# EAGLE board Mk4 Final a Panel score 2x5 (EAGLE 9.0.1), part 21 of 29 (continued)
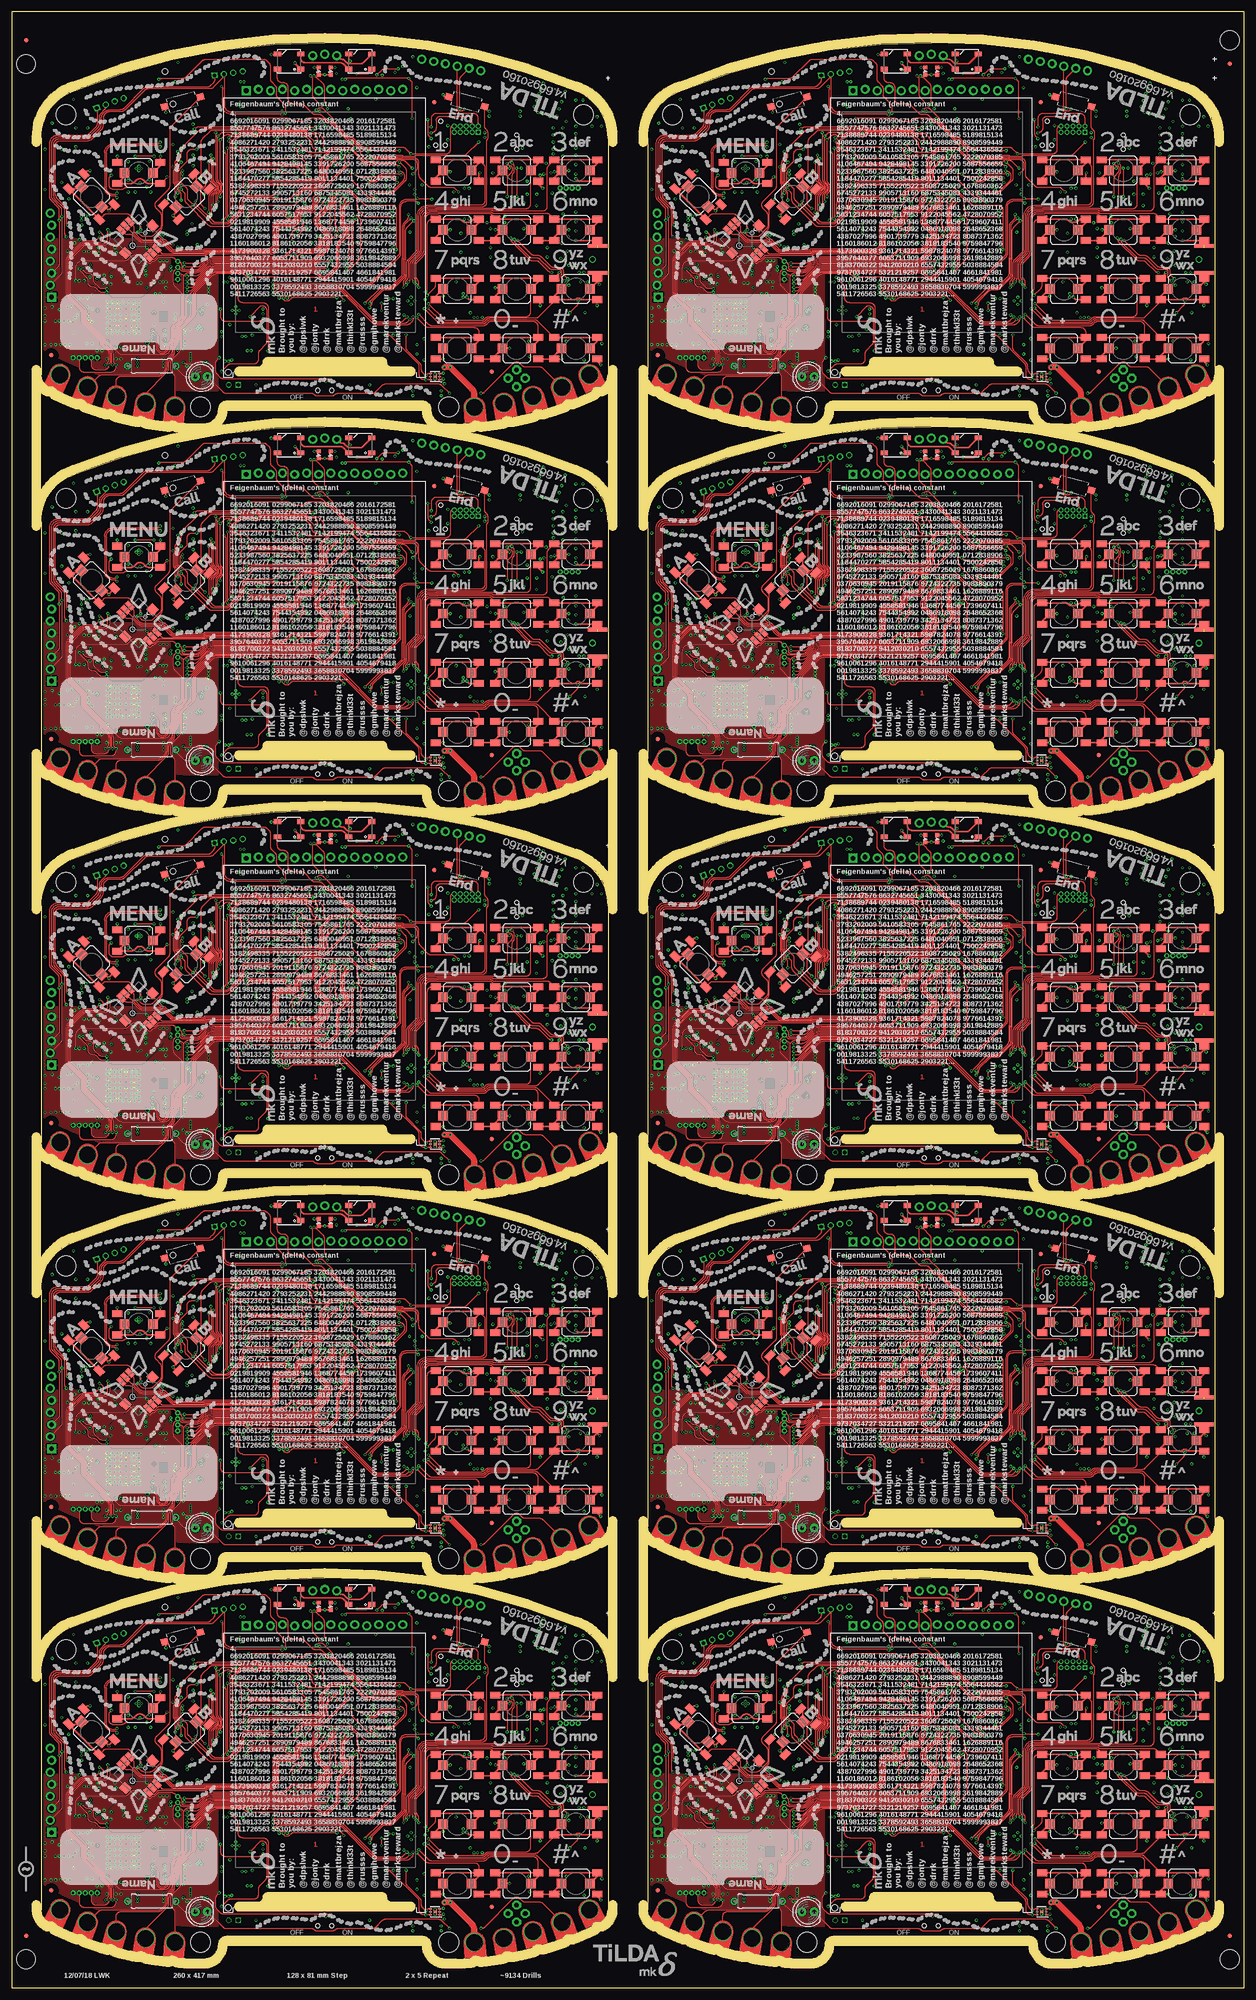
[diagram p0: board, top side]
## Tracks (layer width: path | path; a pad name or v marks a point on that pad's centre or on a via) (continued)
  Bottom 0.15: v49.5,373.25 49,373.25 48.85,373.1 IC145.26 47.9,373.1 47.81,373.19 arc45 47.67,373.25 v45.5,373.25 | v59.2,374 59.3,374 arc90 59.8,374.5 IC146.32 | v45.5,388.25 45.52,388.25 45.57,388.2 46.61,388.2 arc-45 46.75,388.14 46.77,388.11 arc90 47.84,388.11 48.02,388.3 IC145.7
SDRAM_A108  (via drill 0.3)
  Top 0.15: v49.5,387.5 50.58,386.42 arc45 51.29,386.12 60.71,386.12 arc-45 61.42,385.83 v62.25,385 | v44.75,387.5 44.95,387.3 arc-45 45.1,386.94 45.1,373.76 arc-45 44.95,373.4 v44.55,373
  Bottom 0.15: IC146.22 63.8,383.04 arc45 63.51,383.74 v62.25,385 | v44.75,387.5 IC145.8 v49.5,387.5 | IC145.29 37.59,373.1 arc-45 37.69,373.06 arc45 37.83,373 v44.55,373
SDRAM_A109  (via drill 0.3)
  Top 0.15: v42,386.75 41.98,386.73 41.98,385.58 arc45 42.02,385.48 arc-45 42.08,385.33 42.08,381.8 arc45 42.37,381.09 43.23,380.23 arc-90 43.23,379.52 42.27,378.55 arc45 41.98,377.85 41.98,375.4 42.02,375.35 42.02,374.02 v42,374 | v62.25,384 61.54,384.71 arc45 60.84,385 57.67,385 arc-45 57.53,385.06 57.52,385.07 arc45 57.38,385.12 50.79,385.12 arc-45 50.08,385.42 v49.5,386
  Bottom 0.15: v62.25,384 63.11,383.14 arc-45 63.4,382.44 IC146.23 | v42,386.75 42.09,386.75 arc-45 42.79,386.46 42.96,386.29 arc45 43.66,386 47.42,386 arc-45 47.56,385.94 arc45 47.66,385.9 IC145.10 48.82,385.9 arc45 48.96,385.96 arc-45 49.06,386 v49.5,386 | IC145.30 37.59,373.9 arc45 37.69,373.94 arc-45 37.83,374 v42,374
SDRAM_A110  (via drill 0.3)
  Top 0.15: v41.5,385.25 41.5,383.74 41.52,383.72 41.52,381.93 arc45 41.82,381.22 42.99,380.05 arc-90 42.99,379.7 41.79,378.5 arc45 41.5,377.8 v41.5,374.75 | v62.25,383.25 61.09,384.41 arc45 60.39,384.7 57.55,384.7 arc-45 57.41,384.76 57.4,384.77 arc45 57.26,384.82 50.34,384.82 arc-45 49.63,385.12 v49.5,385.25
  Bottom 0.15: v62.25,383.25 62.71,382.79 arc-45 63,382.09 IC146.24 | v41.5,385.25 47.42,385.25 arc-45 47.56,385.19 47.59,385.16 arc45 47.73,385.1 IC145.11 48.77,385.1 arc45 48.91,385.16 48.94,385.19 arc-45 49.08,385.25 v49.5,385.25 | IC145.31 37.7,374.7 arc-45 37.82,374.75 v41.5,374.75
SDRAM_A111  (via drill 0.3)
  Top 0.15: v62.3,382.3 60.49,384.11 arc45 59.79,384.4 57.42,384.4 arc-45 57.28,384.46 57.28,384.47 arc45 57.13,384.52 50.94,384.52 arc45 50.23,384.23 v49.5,383.5 | v41,383.5 41,380.83 arc-45 40.71,380.12 40.14,379.56 arc45 39.85,378.85 39.85,376.81 arc45 40.14,376.11 v40.75,375.5
  Bottom 0.15: v49.5,383.5 IC145.13 v41,383.5 | IC145.32 v40.75,375.5 | IC146.25 62.6,377.26 62.62,377.28 62.62,381.56 arc45 62.33,382.27 v62.3,382.3
SDRAM_A112  (via drill 0.3)
  Top 0.15: v55.75,378.1 v55.74,378.09 arc-45 55.04,377.8 49.75,377.8 arc90 48.5,376.55 48.5,375.5 arc-45 48.21,374.79 45.89,372.47 arc-45 45.18,372.18 42.74,372.18 arc-45 42.03,372.47 v38.25,376.25 37.29,377.21 arc-45 37,377.91 37,379.33 arc45 36.71,380.04 35.47,381.27 arc-45 35.4,381.45 35.4,382.69 arc-45 35.55,383.05 v36,383.5
  Bottom 0.15: IC145.42 v36,383.5 | IC145.33 37.7,376.3 arc45 37.82,376.25 v38.25,376.25 | IC146.40 57.66,379.6 arc45 56.96,379.31 v55.75,378.1
SDRAM_A113  (via drill 0.3)
  Top 0.15: v35.75,377.25 35.75,378.34 arc45 35.46,379.05 35.38,379.12 arc-45 35.16,379.65 35.16,380.58 arc45 35.09,380.76 34.87,380.98 arc-45 34.8,381.15 34.8,383.24 arc-45 34.95,383.6 35.02,383.67 arc45 35.16,384.02 35.16,384.25 arc-45 35.46,384.96 v35.75,385.25 | v56.65,379.75 55.32,378.42 arc-45 54.61,378.12 49.5,378.12 arc90 48,376.62 48,375.42 arc-45 47.71,374.71 45.76,372.77 arc-45 45.05,372.48 43.2,372.48 arc-45 42.49,372.77 39.04,376.21 arc-45 38.75,376.92 v38.75,377
  Bottom 0.15: IC145.44 36.65,385.1 36.65,385.1 arc45 36.29,385.25 v35.75,385.25 | v35.75,377.25 36.29,377.25 arc-45 36.65,377.1 IC145.34 38.51,377.1 arc-45 v38.75,377 | IC146.41 57.25,380 arc45 v56.65,379.75
SDRAM_A114  (via drill 0.3)
  Top 0.15: v49.5,376.25 49.58,376.18 59.35,376.18 arc45 60.06,376.47 60.9,377.31 arc45 61.05,377.67 v61.05,377.8 | v42.5,376.25 42.5,377.95 arc-45 42.79,378.65 43.48,379.34 arc90 43.48,380.4 42.79,381.09 arc-45 42.5,381.8 v42.5,386
  Bottom 0.15: IC145.45 37.82,385.9 arc45 37.96,385.96 arc-45 38.06,386 v42.5,386 | v49.5,376.25 49,376.25 48.95,376.3 IC145.22 47.8,376.3 arc-45 47.68,376.25 v42.5,376.25 | IC146.50 59.54,383.6 arc-45 60.24,383.31 60.76,382.79 arc-45 61.05,382.09 v61.05,377.8
SDRAM_A115  (via drill 0.3)
  Top 0.15: v35,378.75 35,379.08 34.86,379.22 34.86,380.46 arc45 34.79,380.64 34.57,380.85 arc-45 34.5,381.03 34.5,383.37 arc-45 34.65,383.72 34.72,383.79 arc45 34.86,384.14 34.86,384.95 arc-45 35.16,385.66 35.46,385.96 arc45 35.75,386.66 v35.75,388.25 39.53,392.03 arc-45 40.24,392.32 50.73,392.32 50.79,392.38 arc-90 52.21,392.38 52.42,392.18 62.97,392.18 arc-45 v63.47,391.97
  Bottom 0.15: IC145.48 36.55,388.3 36.5,388.25 v35.75,388.25 | IC145.36 36.55,378.7 36.5,378.75 v35,378.75 | v63.47,391.97 63.8,391.64 IC146.75
SDRAM_A116  (via drill 0.3)
  Top 0.15: v35,387.5 35,386.41 arc-45 34.71,385.71 arc45 34.5,385.21 34.5,384.49 34.52,384.47 34.52,384.1 arc-45 34.48,383.98 34.48,383.97 34.35,383.84 arc45 34.2,383.49 34.2,380.91 arc45 34.27,380.73 34.4,380.6 arc-45 34.48,380.42 34.48,378.53 34.5,378.51 v34.5,378 | v47.25,378.75 48.68,380.18 arc45 48.98,380.89 48.98,381.71 arc-45 49.27,382.42 50.46,383.61 arc-45 51.16,383.9 55.94,383.9 arc-45 56.64,383.61 56.96,383.29 arc45 57.66,383 v59.75,383
  Bottom 0.15: IC145.47 v35,387.5 | v34.5,378 36.42,378 arc-45 36.56,377.94 36.6,377.9 IC145.35 42.49,377.9 arc45 43.19,378.19 43.46,378.46 arc-45 44.16,378.75 v47.25,378.75 | IC146.49 59.27,383.2 arc-45 v59.75,383
SDRAM_A117  (via drill 0.3)
  Top 0.15: v171,391.5 v171,391.49 170.97,391.47 170.97,386.27 171.03,386.22 171.03,381.7 arc45 171.32,380.99 171.73,380.58 arc-90 171.73,379.17 171.27,378.7 arc45 170.97,378 170.97,376.52 171.03,376.47 171.03,376.03 171,376.01 v171,375.5 | v186.3,375.5 185.99,375.19 arc-45 185.29,374.9 178.51,374.9 arc-45 177.81,375.19 v177.5,375.5
  Bottom 0.15: IC163.2 172.21,392.3 arc45 171.51,392.01 v171,391.5 | IC164.29 189,376.02 arc90 188.5,376.52 188.12,376.52 | v177.5,375.5 IC163.23 v171,375.5 | 188.12,376.52 | 188.12,376.52 187.68,376.52 arc45 187.08,376.28 v186.3,375.5
SDRAM_A118  (via drill 0.3)
  Top 0.15: v186.3,374.75 arc-45 185.94,374.6 177.86,374.6 arc-45 v177.5,374.75 | v173.75,390.5 174.11,390.14 arc-45 174.4,389.44 174.4,388.13 arc45 174.44,388.03 arc-45 174.5,387.89 v174.5,374.75
  Bottom 0.15: v173.75,390.5 arc-45 174.23,390.7 IC163.4 | IC164.30 188.6,375.98 arc90 188.35,376.23 187.68,376.23 arc45 187.33,376.08 187.21,375.96 arc45 187,375.45 arc-90 v186.3,374.75 | v177.5,374.75 177.07,374.75 arc45 176.95,374.7 IC163.24 175.8,374.7 175.75,374.75 v174.5,374.75
SDRAM_A119  (via drill 0.3)
  Top 0.15: v173.7,389.75 173.73,389.72 arc-45 174.03,389.01 174.03,376.4 173.97,376.35 173.97,374.02 v174,374 | v186.3,374 v186.29,374.01 arc45 185.59,374.3 178.21,374.3 arc45 v177.51,374.01 v177.5,374
  Bottom 0.15: v173.7,389.75 arc-45 174.06,389.9 IC163.5 | v177.5,374 177.08,374 arc45 176.94,373.94 176.9,373.9 IC163.25 175.85,373.9 175.81,373.94 arc45 175.67,374 v174,374 | IC164.31 188.2,373.85 arc-90 187.7,373.35 186.8,373.35 arc-90 186.3,373.85 v186.3,374 v186.3,373.99
SDRAM_A120  (via drill 0.3)
  Top 0.15: v173.5,388.25 173.47,388.23 173.47,373.27 v173.5,373.25 | v177.5,373.25 177.96,373.71 arc-45 178.66,374 185.14,374 arc-45 185.84,373.71 186.02,373.53 arc90 186.73,373.53 v187.2,374
  Bottom 0.15: v177.5,373.25 177,373.25 176.85,373.1 IC163.26 175.9,373.1 175.81,373.19 arc45 175.67,373.25 v173.5,373.25 | v187.2,374 187.3,374 arc90 187.8,374.5 IC164.32 | v173.5,388.25 173.52,388.25 173.57,388.2 174.61,388.2 arc-45 174.75,388.14 174.78,388.11 arc90 175.83,388.11 176.02,388.3 IC163.7
SDRAM_A121  (via drill 0.3)
  Top 0.15: v177.5,387.5 178.58,386.42 arc45 179.29,386.12 188.71,386.12 arc-45 189.42,385.83 v190.25,385 | v172.75,387.5 172.95,387.3 arc-45 173.1,386.94 173.1,373.76 arc-45 172.95,373.4 v172.55,373
  Bottom 0.15: IC164.22 191.8,383.04 arc45 191.51,383.74 v190.25,385 | v172.75,387.5 IC163.8 v177.5,387.5 | IC163.29 165.59,373.1 arc-45 165.69,373.06 arc45 165.83,373 v172.55,373
SDRAM_A122  (via drill 0.3)
  Top 0.15: v170,386.75 169.97,386.73 169.97,385.58 arc45 170.02,385.48 arc-45 170.07,385.33 170.07,381.8 arc45 170.37,381.09 171.24,380.23 arc-90 171.24,379.52 170.27,378.55 arc45 169.97,377.85 169.97,375.4 170.03,375.35 170.03,374.02 v170,374 | v190.25,384 189.54,384.71 arc45 188.84,385 185.67,385 arc-45 185.53,385.06 185.53,385.07 arc45 185.38,385.12 178.79,385.12 arc-45 178.08,385.42 v177.5,386
  Bottom 0.15: v190.25,384 191.11,383.14 arc-45 191.4,382.44 IC164.23 | v170,386.75 170.09,386.75 arc-45 170.79,386.46 170.96,386.29 arc45 171.66,386 175.42,386 arc-45 175.56,385.94 arc45 175.66,385.9 IC163.10 176.82,385.9 arc45 176.96,385.96 arc-45 177.06,386 v177.5,386 | IC163.30 165.59,373.9 arc45 165.69,373.94 arc-45 165.83,374 v170,374
SDRAM_A123  (via drill 0.3)
  Top 0.15: v169.5,385.25 169.5,383.74 169.53,383.72 169.53,381.93 arc45 169.82,381.22 170.99,380.05 arc-90 170.99,379.7 169.79,378.5 arc45 169.5,377.8 v169.5,374.75 | v190.25,383.25 189.09,384.41 arc45 188.39,384.7 185.55,384.7 arc-45 185.41,384.76 185.4,384.77 arc45 185.26,384.82 178.34,384.82 arc-45 177.63,385.12 v177.5,385.25
  Bottom 0.15: v190.25,383.25 190.71,382.79 arc-45 191,382.09 IC164.24 | v169.5,385.25 175.42,385.25 arc-45 175.56,385.19 175.59,385.16 arc45 175.73,385.1 IC163.11 176.77,385.1 arc45 176.91,385.16 176.94,385.19 arc-45 177.08,385.25 v177.5,385.25 | IC163.31 165.7,374.7 arc-45 165.82,374.75 v169.5,374.75
SDRAM_A124  (via drill 0.3)
  Top 0.15: v190.3,382.3 188.49,384.11 arc45 187.79,384.4 185.43,384.4 arc-45 185.28,384.46 185.28,384.47 arc45 185.13,384.52 178.94,384.52 arc45 178.23,384.23 v177.5,383.5 | v169,383.5 169,380.83 arc-45 168.71,380.12 168.14,379.56 arc45 167.85,378.85 167.85,376.81 arc45 168.14,376.11 v168.75,375.5
  Bottom 0.15: v177.5,383.5 IC163.13 v169,383.5 | IC163.32 v168.75,375.5 | IC164.25 190.6,377.26 190.62,377.28 190.62,381.56 arc45 190.33,382.27 v190.3,382.3
SDRAM_A125  (via drill 0.3)
  Top 0.15: v183.75,378.1 v183.74,378.09 arc-45 183.04,377.8 177.75,377.8 arc90 176.5,376.55 176.5,375.5 arc-45 176.21,374.79 173.88,372.47 arc-45 173.18,372.18 170.74,372.18 arc-45 170.03,372.47 v166.25,376.25 165.29,377.21 arc-45 165,377.91 165,379.33 arc45 164.71,380.04 163.47,381.27 arc-45 163.4,381.45 163.4,382.69 arc-45 163.55,383.05 v164,383.5
  Bottom 0.15: IC163.42 v164,383.5 | IC163.33 165.7,376.3 arc45 165.82,376.25 v166.25,376.25 | IC164.40 185.66,379.6 arc45 184.96,379.31 v183.75,378.1
SDRAM_A126  (via drill 0.3)
  Top 0.15: v163.75,377.25 163.75,378.34 arc45 163.46,379.05 163.38,379.12 arc-45 163.16,379.65 163.16,380.58 arc45 163.09,380.76 162.87,380.98 arc-45 162.8,381.15 162.8,383.24 arc-45 162.95,383.6 163.02,383.67 arc45 163.16,384.02 163.16,384.25 arc-45 163.46,384.96 v163.75,385.25 | v184.65,379.75 183.32,378.42 arc-45 182.61,378.12 177.5,378.12 arc90 176,376.62 176,375.42 arc-45 175.71,374.71 173.76,372.77 arc-45 173.05,372.48 171.2,372.48 arc-45 170.49,372.77 167.04,376.21 arc-45 166.75,376.92 v166.75,377
  Bottom 0.15: IC163.44 164.65,385.1 164.65,385.1 arc45 164.29,385.25 v163.75,385.25 | v163.75,377.25 164.29,377.25 arc-45 164.65,377.1 IC163.34 166.51,377.1 arc-45 v166.75,377 | IC164.41 185.25,380 arc45 v184.65,379.75
SDRAM_A127  (via drill 0.3)
  Top 0.15: v177.5,376.25 177.57,376.18 187.35,376.18 arc45 188.06,376.47 188.9,377.31 arc45 189.05,377.67 v189.05,377.8 | v170.5,376.25 170.5,377.95 arc-45 170.79,378.65 171.48,379.34 arc90 171.48,380.4 170.79,381.09 arc-45 170.5,381.8 v170.5,386
  Bottom 0.15: IC163.45 165.82,385.9 arc45 165.96,385.96 arc-45 166.06,386 v170.5,386 | v177.5,376.25 177,376.25 176.95,376.3 IC163.22 175.8,376.3 arc-45 175.68,376.25 v170.5,376.25 | IC164.50 187.54,383.6 arc-45 188.24,383.31 188.76,382.79 arc-45 189.05,382.09 v189.05,377.8
SDRAM_A128  (via drill 0.3)
  Top 0.15: v163,378.75 163,379.08 162.86,379.22 162.86,380.46 arc45 162.79,380.64 162.57,380.85 arc-45 162.5,381.03 162.5,383.37 arc-45 162.65,383.72 162.72,383.79 arc45 162.86,384.14 162.86,384.95 arc-45 163.16,385.66 163.46,385.96 arc45 163.75,386.66 v163.75,388.25 167.53,392.03 arc-45 168.24,392.32 178.73,392.32 178.79,392.38 arc-90 180.21,392.38 180.42,392.18 190.97,392.18 arc-45 v191.47,391.97
  Bottom 0.15: IC163.48 164.55,388.3 164.5,388.25 v163.75,388.25 | IC163.36 164.55,378.7 164.5,378.75 v163,378.75 | v191.47,391.97 191.8,391.64 IC164.75
SDRAM_A129  (via drill 0.3)
  Top 0.15: v163,387.5 163,386.41 arc-45 162.71,385.71 arc45 162.5,385.21 162.5,384.49 162.53,384.47 162.53,384.1 arc-45 162.47,383.98 162.47,383.97 162.35,383.84 arc45 162.2,383.49 162.2,380.91 arc45 162.27,380.73 162.4,380.6 arc-45 162.47,380.42 162.47,378.53 162.5,378.51 v162.5,378 | v175.25,378.75 176.68,380.18 arc45 176.97,380.89 176.97,381.71 arc-45 177.27,382.42 178.46,383.61 arc-45 179.16,383.9 183.94,383.9 arc-45 184.64,383.61 184.96,383.29 arc45 185.66,383 v187.75,383
  Bottom 0.15: IC163.47 v163,387.5 | v162.5,378 164.42,378 arc-45 164.56,377.94 164.6,377.9 IC163.35 170.49,377.9 arc45 171.19,378.19 171.46,378.46 arc-45 172.16,378.75 v175.25,378.75 | IC164.49 187.27,383.2 arc-45 v187.75,383
SDRAM_BA0  (via drill 0.3)
  Top 0.15: v44,54 44,54.38 arc-45 44.15,54.73 44.29,54.88 arc90 44.29,56.87 arc-45 44,57.57 v44,66 44.73,66.73 arc-45 45.44,67.03 45.76,67.03 arc-45 46.11,66.88 46.17,66.82 arc45 46.52,66.67 47.39,66.67 arc45 47.74,66.82 47.92,67.01 arc-45 48.63,67.3 50.96,67.3 51.15,67.11 arc90 51.85,67.11 52.02,67.28 61.69,67.28 arc-45 62.05,67.13 62.25,66.93 arc45 62.45,66.84 arc-45 62.8,66.7 v64,65.5
  Bottom 0.15: IC2.50 43.9,65.9 v44,66 | IC2.20 47.91,53.9 arc-45 47.81,53.94 arc45 47.67,54 v44,54 | v64,65.5 arc45 64.2,65.98 IC1.76
SDRAM_BA1  (via drill 0.3)
  Top 0.15: v43.5,53 43.48,53.02 43.48,54.07 arc-45 43.77,54.78 43.98,54.99 arc90 43.98,56.76 43.77,56.97 arc-45 43.48,57.67 43.48,66.72 v43.5,66.75 43.96,67.21 arc-45 44.66,67.5 46.09,67.5 arc-45 46.8,67.21 46.88,67.13 arc90 47.62,67.13 47.8,67.31 arc-45 48.51,67.6 50.86,67.6 51.15,67.89 arc-90 51.85,67.89 52.17,67.58 61.82,67.58 arc-45 62.17,67.43 62.31,67.29 arc45 62.66,67.15 63.5,67.15 arc-90 64.5,66.15 64.5,66.1 arc45 v64.75,65.5
  Bottom 0.15: v43.5,53 48.28,53 IC2.21 | v43.5,66.75 43.45,66.7 IC2.51 | v64.75,65.5 arc-45 64.6,65.86 IC1.77
SDRAM_BA2  (via drill 0.3)
  Top 0.15: v171.5,53 171.47,53.02 171.47,54.07 arc-45 171.77,54.78 171.98,54.99 arc90 171.98,56.76 171.77,56.97 arc-45 171.47,57.67 171.47,66.72 v171.5,66.75 171.96,67.21 arc-45 172.66,67.5 174.09,67.5 arc-45 174.8,67.21 174.88,67.13 arc90 175.62,67.13 175.8,67.31 arc-45 176.51,67.6 178.86,67.6 179.15,67.89 arc-90 179.85,67.89 180.17,67.58 189.82,67.58 arc-45 190.17,67.43 190.31,67.29 arc45 190.66,67.15 191.5,67.15 arc-90 192.5,66.15 192.5,66.1 arc45 v192.75,65.5
  Bottom 0.15: v171.5,53 176.28,53 IC19.21 | v171.5,66.75 171.45,66.7 IC19.51 | v192.75,65.5 arc-45 192.6,65.86 IC20.77
SDRAM_BA3  (via drill 0.3)
  Top 0.15: v172,54 172,54.38 arc-45 172.15,54.73 172.29,54.88 arc90 172.29,56.87 arc-45 172,57.57 v172,66 172.73,66.73 arc-45 173.44,67.03 173.76,67.03 arc-45 174.11,66.88 174.17,66.82 arc45 174.53,66.67 175.38,66.67 arc45 175.74,66.82 175.92,67.01 arc-45 176.63,67.3 178.96,67.3 179.15,67.11 arc90 179.85,67.11 180.02,67.28 189.69,67.28 arc-45 190.05,67.13 190.25,66.93 arc45 190.45,66.84 arc-45 190.8,66.7 v192,65.5
  Bottom 0.15: IC19.50 171.9,65.9 v172,66 | IC19.20 175.91,53.9 arc-45 175.81,53.94 arc45 175.67,54 v172,54 | v192,65.5 arc45 192.2,65.98 IC20.76
SDRAM_BA4  (via drill 0.3)
  Top 0.15: v43.5,134 43.48,134.03 43.48,135.07 arc-45 43.77,135.78 43.98,135.99 arc90 43.98,137.76 43.77,137.97 arc-45 43.48,138.67 43.48,147.72 v43.5,147.75 43.96,148.21 arc-45 44.66,148.5 46.09,148.5 arc-45 46.8,148.21 46.88,148.13 arc90 47.62,148.13 47.8,148.31 arc-45 48.51,148.6 50.86,148.6 51.15,148.89 arc-90 51.85,148.89 52.17,148.57 61.82,148.57 arc-45 62.17,148.43 62.31,148.29 arc45 62.66,148.15 63.5,148.15 arc-90 64.5,147.15 64.5,147.1 arc45 v64.75,146.5
  Bottom 0.15: v43.5,134 48.28,134 IC37.21 | v43.5,147.75 43.45,147.7 IC37.51 | v64.75,146.5 arc-45 64.6,146.86 IC38.77
SDRAM_BA5  (via drill 0.3)
  Top 0.15: v44,135 44,135.38 arc-45 44.15,135.74 44.29,135.88 arc90 44.29,137.87 arc-45 44,138.57 v44,147 44.73,147.73 arc-45 45.44,148.03 45.76,148.03 arc-45 46.11,147.88 46.17,147.82 arc45 46.52,147.68 47.39,147.68 arc45 47.74,147.82 47.92,148.01 arc-45 48.63,148.3 50.96,148.3 51.15,148.11 arc90 51.85,148.11 52.02,148.28 61.69,148.28 arc-45 62.05,148.13 62.25,147.93 arc45 62.45,147.84 arc-45 62.8,147.7 v64,146.5
  Bottom 0.15: IC37.50 43.9,146.9 v44,147 | IC37.20 47.91,134.9 arc-45 47.81,134.94 arc45 47.67,135 v44,135 | v64,146.5 arc45 64.2,146.98 IC38.76
SDRAM_BA6  (via drill 0.3)
  Top 0.15: v171.5,134 171.47,134.03 171.47,135.07 arc-45 171.77,135.78 171.98,135.99 arc90 171.98,137.76 171.77,137.97 arc-45 171.47,138.67 171.47,147.72 v171.5,147.75 171.96,148.21 arc-45 172.66,148.5 174.09,148.5 arc-45 174.8,148.21 174.88,148.13 arc90 175.62,148.13 175.8,148.31 arc-45 176.51,148.6 178.86,148.6 179.15,148.89 arc-90 179.85,148.89 180.17,148.57 189.82,148.57 arc-45 190.17,148.43 190.31,148.29 arc45 190.66,148.15 191.5,148.15 arc-90 192.5,147.15 192.5,147.1 arc45 v192.75,146.5
  Bottom 0.15: v171.5,134 176.28,134 IC55.21 | v171.5,147.75 171.45,147.7 IC55.51 | v192.75,146.5 arc-45 192.6,146.86 IC56.77
SDRAM_BA7  (via drill 0.3)
  Top 0.15: v172,135 172,135.38 arc-45 172.15,135.74 172.29,135.88 arc90 172.29,137.87 arc-45 172,138.57 v172,147 172.73,147.73 arc-45 173.44,148.03 173.76,148.03 arc-45 174.11,147.88 174.17,147.82 arc45 174.53,147.68 175.38,147.68 arc45 175.74,147.82 175.92,148.01 arc-45 176.63,148.3 178.96,148.3 179.15,148.11 arc90 179.85,148.11 180.02,148.28 189.69,148.28 arc-45 190.05,148.13 190.25,147.93 arc45 190.45,147.84 arc-45 190.8,147.7 v192,146.5
  Bottom 0.15: IC55.50 171.9,146.9 v172,147 | IC55.20 175.91,134.9 arc-45 175.81,134.94 arc45 175.67,135 v172,135 | v192,146.5 arc45 192.2,146.98 IC56.76
SDRAM_BA8  (via drill 0.3)
  Top 0.15: v43.5,215 43.48,215.03 43.48,216.07 arc-45 43.77,216.78 43.98,216.99 arc90 43.98,218.76 43.77,218.97 arc-45 43.48,219.67 43.48,228.72 v43.5,228.75 43.96,229.21 arc-45 44.66,229.5 46.09,229.5 arc-45 46.8,229.21 46.88,229.13 arc90 47.62,229.13 47.8,229.31 arc-45 48.51,229.6 50.86,229.6 51.15,229.89 arc-90 51.85,229.89 52.17,229.57 61.82,229.57 arc-45 62.17,229.43 62.31,229.29 arc45 62.66,229.15 63.5,229.15 arc-90 64.5,228.15 64.5,228.1 arc45 v64.75,227.5
  Bottom 0.15: v43.5,215 48.28,215 IC73.21 | v43.5,228.75 43.45,228.7 IC73.51 | v64.75,227.5 arc-45 64.6,227.86 IC74.77
SDRAM_BA9  (via drill 0.3)
  Top 0.15: v44,216 44,216.38 arc-45 44.15,216.74 44.29,216.88 arc90 44.29,218.87 arc-45 44,219.57 v44,228 44.73,228.73 arc-45 45.44,229.03 45.76,229.03 arc-45 46.11,228.88 46.17,228.82 arc45 46.52,228.68 47.39,228.68 arc45 47.74,228.82 47.92,229.01 arc-45 48.63,229.3 50.96,229.3 51.15,229.11 arc90 51.85,229.11 52.02,229.28 61.69,229.28 arc-45 62.05,229.13 62.25,228.93 arc45 62.45,228.84 arc-45 62.8,228.7 v64,227.5
  Bottom 0.15: IC73.50 43.9,227.9 v44,228 | IC73.20 47.91,215.9 arc-45 47.81,215.94 arc45 47.67,216 v44,216 | v64,227.5 arc45 64.2,227.98 IC74.76
SDRAM_BA10  (via drill 0.3)
  Top 0.15: v171.5,215 171.47,215.03 171.47,216.07 arc-45 171.77,216.78 171.98,216.99 arc90 171.98,218.76 171.77,218.97 arc-45 171.47,219.67 171.47,228.72 v171.5,228.75 171.96,229.21 arc-45 172.66,229.5 174.09,229.5 arc-45 174.8,229.21 174.88,229.13 arc90 175.62,229.13 175.8,229.31 arc-45 176.51,229.6 178.86,229.6 179.15,229.89 arc-90 179.85,229.89 180.17,229.57 189.82,229.57 arc-45 190.17,229.43 190.31,229.29 arc45 190.66,229.15 191.5,229.15 arc-90 192.5,228.15 192.5,228.1 arc45 v192.75,227.5
  Bottom 0.15: v171.5,215 176.28,215 IC91.21 | v171.5,228.75 171.45,228.7 IC91.51 | v192.75,227.5 arc-45 192.6,227.86 IC92.77
SDRAM_BA11  (via drill 0.3)
  Top 0.15: v172,216 172,216.38 arc-45 172.15,216.74 172.29,216.88 arc90 172.29,218.87 arc-45 172,219.57 v172,228 172.73,228.73 arc-45 173.44,229.03 173.76,229.03 arc-45 174.11,228.88 174.17,228.82 arc45 174.53,228.68 175.38,228.68 arc45 175.74,228.82 175.92,229.01 arc-45 176.63,229.3 178.96,229.3 179.15,229.11 arc90 179.85,229.11 180.02,229.28 189.69,229.28 arc-45 190.05,229.13 190.25,228.93 arc45 190.45,228.84 arc-45 190.8,228.7 v192,227.5
  Bottom 0.15: IC91.50 171.9,227.9 v172,228 | IC91.20 175.91,215.9 arc-45 175.81,215.94 arc45 175.67,216 v172,216 | v192,227.5 arc45 192.2,227.98 IC92.76
SDRAM_BA12  (via drill 0.3)
  Top 0.15: v43.5,296 43.48,296.02 43.48,297.07 arc-45 43.77,297.78 43.98,297.99 arc90 43.98,299.76 43.77,299.97 arc-45 43.48,300.67 43.48,309.73 v43.5,309.75 43.96,310.21 arc-45 44.66,310.5 46.09,310.5 arc-45 46.8,310.21 46.88,310.13 arc90 47.62,310.13 47.8,310.31 arc-45 48.51,310.6 50.86,310.6 51.15,310.89 arc-90 51.85,310.89 52.17,310.57 61.82,310.57 arc-45 62.17,310.43 62.31,310.29 arc45 62.66,310.14 63.5,310.14 arc-90 64.5,309.14 64.5,309.1 arc45 v64.75,308.5
  Bottom 0.15: v43.5,296 48.28,296 IC109.21 | v43.5,309.75 43.45,309.7 IC109.51 | v64.75,308.5 arc-45 64.6,308.86 IC110.77
SDRAM_BA13  (via drill 0.3)
  Top 0.15: v44,297 44,297.38 arc-45 44.15,297.74 44.29,297.88 arc90 44.29,299.87 arc-45 44,300.57 v44,309 44.73,309.73 arc-45 45.44,310.02 45.76,310.02 arc-45 46.11,309.88 46.17,309.82 arc45 46.52,309.68 47.39,309.68 arc45 47.74,309.82 47.92,310.01 arc-45 48.63,310.3 50.96,310.3 51.15,310.11 arc90 51.85,310.11 52.02,310.27 61.69,310.27 arc-45 62.05,310.13 62.25,309.93 arc45 62.45,309.85 arc-45 62.8,309.7 v64,308.5
  Bottom 0.15: IC109.50 43.9,308.9 v44,309 | IC109.20 47.91,296.9 arc-45 47.81,296.94 arc45 47.67,297 v44,297 | v64,308.5 arc45 64.2,308.98 IC110.76
SDRAM_BA14  (via drill 0.3)
  Top 0.15: v171.5,296 171.47,296.02 171.47,297.07 arc-45 171.77,297.78 171.98,297.99 arc90 171.98,299.76 171.77,299.97 arc-45 171.47,300.67 171.47,309.73 v171.5,309.75 171.96,310.21 arc-45 172.66,310.5 174.09,310.5 arc-45 174.8,310.21 174.88,310.13 arc90 175.62,310.13 175.8,310.31 arc-45 176.51,310.6 178.86,310.6 179.15,310.89 arc-90 179.85,310.89 180.17,310.57 189.82,310.57 arc-45 190.17,310.43 190.31,310.29 arc45 190.66,310.14 191.5,310.14 arc-90 192.5,309.14 192.5,309.1 arc45 v192.75,308.5
  Bottom 0.15: v171.5,296 176.28,296 IC127.21 | v171.5,309.75 171.45,309.7 IC127.51 | v192.75,308.5 arc-45 192.6,308.86 IC128.77
SDRAM_BA15  (via drill 0.3)
  Top 0.15: v172,297 172,297.38 arc-45 172.15,297.74 172.29,297.88 arc90 172.29,299.87 arc-45 172,300.57 v172,309 172.73,309.73 arc-45 173.44,310.02 173.76,310.02 arc-45 174.11,309.88 174.17,309.82 arc45 174.53,309.68 175.38,309.68 arc45 175.74,309.82 175.92,310.01 arc-45 176.63,310.3 178.96,310.3 179.15,310.11 arc90 179.85,310.11 180.02,310.27 189.69,310.27 arc-45 190.05,310.13 190.25,309.93 arc45 190.45,309.85 arc-45 190.8,309.7 v192,308.5
  Bottom 0.15: IC127.50 171.9,308.9 v172,309 | IC127.20 175.91,296.9 arc-45 175.81,296.94 arc45 175.67,297 v172,297 | v192,308.5 arc45 192.2,308.98 IC128.76
SDRAM_BA16  (via drill 0.3)
  Top 0.15: v43.5,377 43.48,377.02 43.48,378.07 arc-45 43.77,378.78 43.98,378.99 arc90 43.98,380.76 43.77,380.97 arc-45 43.48,381.67 43.48,390.73 v43.5,390.75 43.96,391.21 arc-45 44.66,391.5 46.09,391.5 arc-45 46.8,391.21 46.88,391.13 arc90 47.62,391.13 47.8,391.31 arc-45 48.51,391.6 50.86,391.6 51.15,391.89 arc-90 51.85,391.89 52.17,391.57 61.82,391.57 arc-45 62.17,391.43 62.31,391.29 arc45 62.66,391.14 63.5,391.14 arc-90 64.5,390.14 64.5,390.1 arc45 v64.75,389.5
  Bottom 0.15: v43.5,377 48.28,377 IC145.21 | v43.5,390.75 43.45,390.7 IC145.51 | v64.75,389.5 arc-45 64.6,389.86 IC146.77
SDRAM_BA17  (via drill 0.3)
  Top 0.15: v44,378 44,378.38 arc-45 44.15,378.74 44.29,378.88 arc90 44.29,380.87 arc-45 44,381.57 v44,390 44.73,390.73 arc-45 45.44,391.02 45.76,391.02 arc-45 46.11,390.88 46.17,390.82 arc45 46.52,390.68 47.39,390.68 arc45 47.74,390.82 47.92,391.01 arc-45 48.63,391.3 50.96,391.3 51.15,391.11 arc90 51.85,391.11 52.02,391.27 61.69,391.27 arc-45 62.05,391.13 62.25,390.93 arc45 62.45,390.85 arc-45 62.8,390.7 v64,389.5
  Bottom 0.15: IC145.50 43.9,389.9 v44,390 | IC145.20 47.91,377.9 arc-45 47.81,377.94 arc45 47.67,378 v44,378 | v64,389.5 arc45 64.2,389.98 IC146.76
SDRAM_BA18  (via drill 0.3)
  Top 0.15: v171.5,377 171.47,377.02 171.47,378.07 arc-45 171.77,378.78 171.98,378.99 arc90 171.98,380.76 171.77,380.97 arc-45 171.47,381.67 171.47,390.73 v171.5,390.75 171.96,391.21 arc-45 172.66,391.5 174.09,391.5 arc-45 174.8,391.21 174.88,391.13 arc90 175.62,391.13 175.8,391.31 arc-45 176.51,391.6 178.86,391.6 179.15,391.89 arc-90 179.85,391.89 180.17,391.57 189.82,391.57 arc-45 190.17,391.43 190.31,391.29 arc45 190.66,391.14 191.5,391.14 arc-90 192.5,390.14 192.5,390.1 arc45 v192.75,389.5
  Bottom 0.15: v171.5,377 176.28,377 IC163.21 | v171.5,390.75 171.45,390.7 IC163.51 | v192.75,389.5 arc-45 192.6,389.86 IC164.77
SDRAM_BA19  (via drill 0.3)